# KiCad board chu_main.kicad_pcb
title: Chu Pico Main
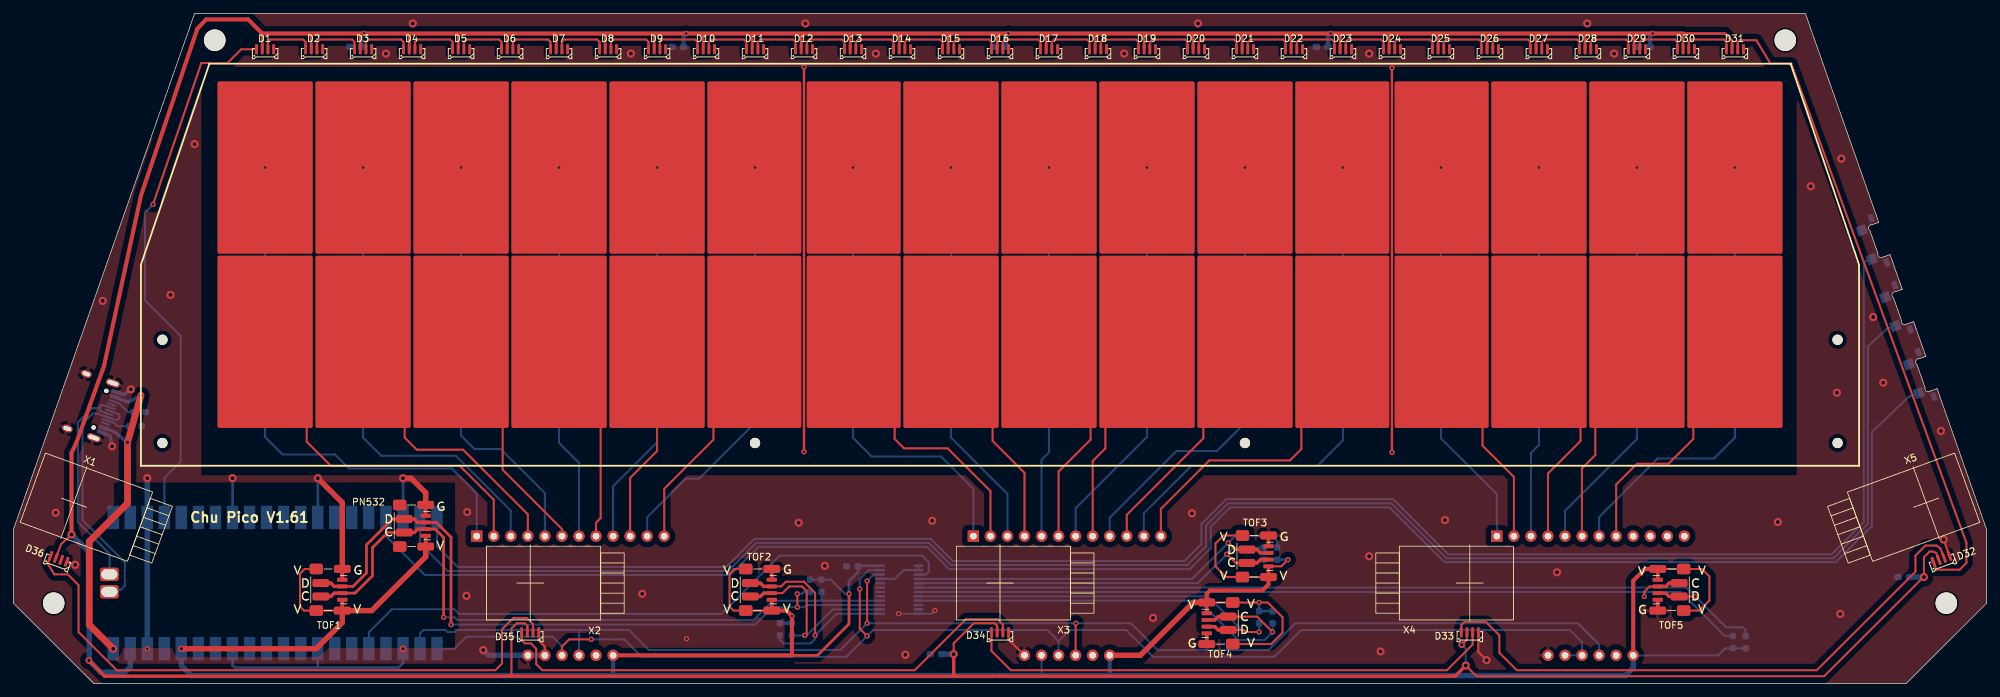
[diagram p0: board, top side]
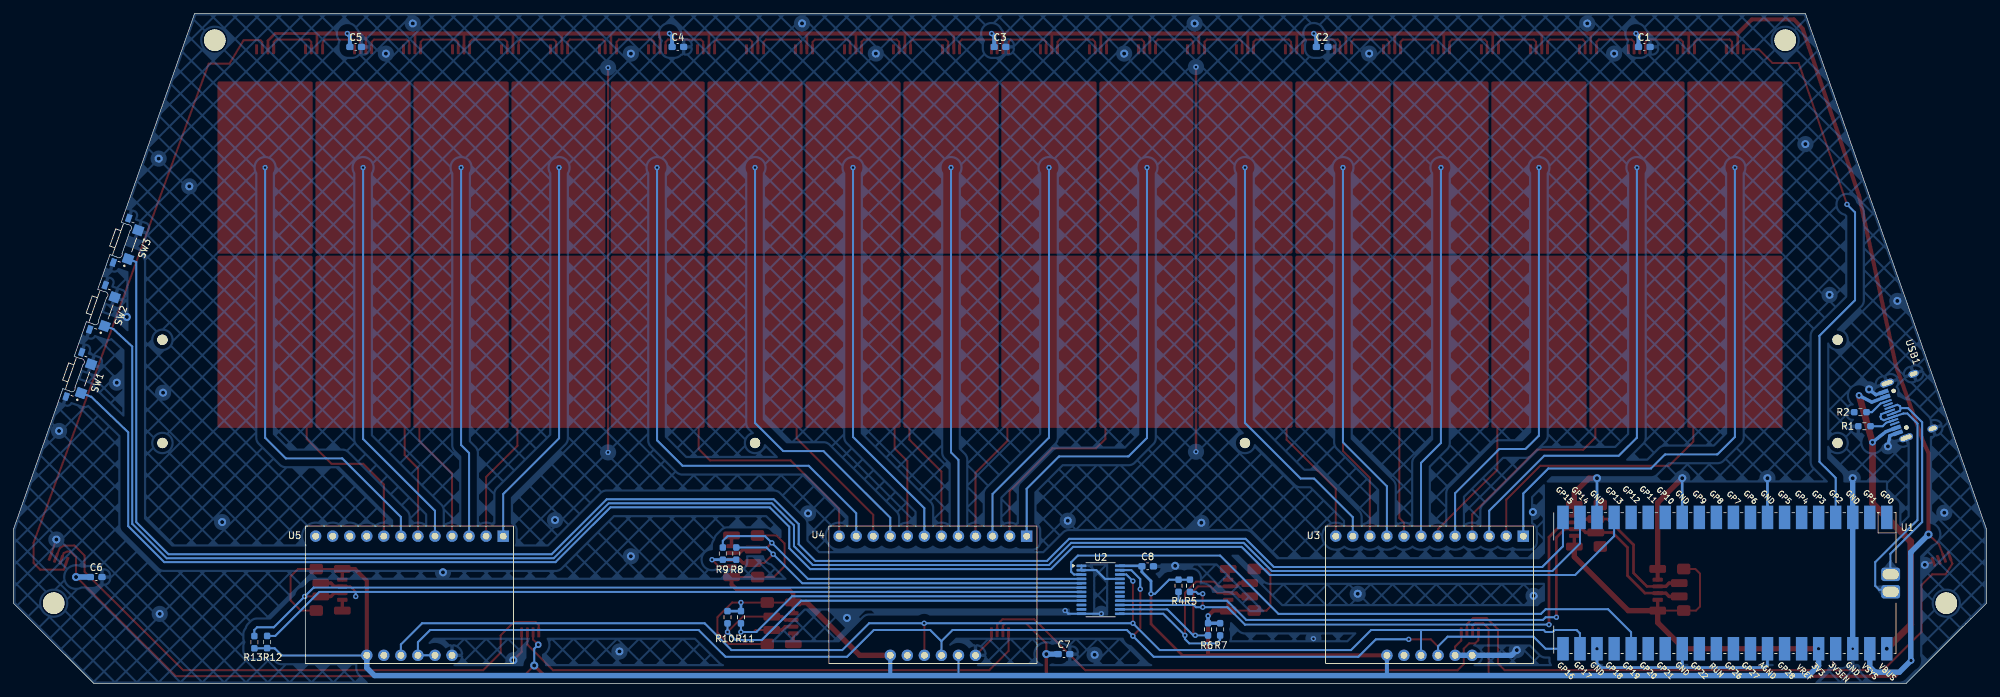
[diagram p1: board, bottom side, seen from below]

Outline 294 x 100 mm; copper layers: Top, Bottom. Coordinates in mm from the lower left corner of the outline.
Outline path: 277.57,69.86 267,100 27,100 0,23 0,12 12,0 282,0 294,12 294,23 286.96,43.07 ; 281.07,59.86 279.95,63.07 ; 284.58,49.86 283.46,53.07
Stack: Top 0.035mm / dielectric 1.11mm FR4 er 4.5 / Bottom 0.035mm

## Placement (name value [footprint] x y rotation side)
C1  0.1uF  [C_0603_1608Metric_Pad1.08x0.95mm_HandSolder]  51 95 180 bottom
C2  0.1uF  [C_0603_1608Metric_Pad1.08x0.95mm_HandSolder]  99 95 180 bottom
C3  0.1uF  [C_0603_1608Metric_Pad1.08x0.95mm_HandSolder]  147 95 180 bottom
C4  0.1uF  [C_0603_1608Metric_Pad1.08x0.95mm_HandSolder]  195 95 180 bottom
C5  0.1uF  [C_0603_1608Metric_Pad1.08x0.95mm_HandSolder]  243 95 180 bottom
C6  0.1uF  [C_0603_1608Metric_Pad1.08x0.95mm_HandSolder]  281.67 15.9 180 bottom
C7  0.1uF  [C_0603_1608Metric_Pad1.08x0.95mm_HandSolder]  137.47 4.4 180 bottom
C8  0.1uF  [C_0603_1608Metric_Pad1.08x0.95mm_HandSolder]  125 17.5 180 bottom
D1  WS2812B_Unified  [WS2812B-4020]  37.5 94 180 top
D2  WS2812B_Unified  [WS2812B-4020]  44.8 94 180 top
D3  WS2812B_Unified  [WS2812B-4020]  52.1 94 180 top
D4  WS2812B_Unified  [WS2812B-4020]  59.4 94 180 top
D5  WS2812B_Unified  [WS2812B-4020]  66.7 94 180 top
D6  WS2812B_Unified  [WS2812B-4020]  74 94 180 top
D7  WS2812B_Unified  [WS2812B-4020]  81.3 94 180 top
D8  WS2812B_Unified  [WS2812B-4020]  88.6 94 180 top
D9  WS2812B_Unified  [WS2812B-4020]  95.9 94 180 top
D10  WS2812B_Unified  [WS2812B-4020]  103.2 94 180 top
D11  WS2812B_Unified  [WS2812B-4020]  110.5 94 180 top
D12  WS2812B_Unified  [WS2812B-4020]  117.8 94 180 top
D13  WS2812B_Unified  [WS2812B-4020]  125.1 94 180 top
D14  WS2812B_Unified  [WS2812B-4020]  132.4 94 180 top
D15  WS2812B_Unified  [WS2812B-4020]  139.7 94 180 top
D16  WS2812B_Unified  [WS2812B-4020]  147 94 180 top
D17  WS2812B_Unified  [WS2812B-4020]  154.3 94 180 top
D18  WS2812B_Unified  [WS2812B-4020]  161.6 94 180 top
D19  WS2812B_Unified  [WS2812B-4020]  168.9 94 180 top
D20  WS2812B_Unified  [WS2812B-4020]  176.2 94 180 top
D21  WS2812B_Unified  [WS2812B-4020]  183.5 94 180 top
D22  WS2812B_Unified  [WS2812B-4020]  190.8 94 180 top
D23  WS2812B_Unified  [WS2812B-4020]  198.1 94 180 top
D24  WS2812B_Unified  [WS2812B-4020]  205.4 94 180 top
D25  WS2812B_Unified  [WS2812B-4020]  212.7 94 180 top
D26  WS2812B_Unified  [WS2812B-4020]  220 94 180 top
D27  WS2812B_Unified  [WS2812B-4020]  227.3 94 180 top
D28  WS2812B_Unified  [WS2812B-4020]  234.6 94 180 top
D29  WS2812B_Unified  [WS2812B-4020]  241.9 94 180 top
D30  WS2812B_Unified  [WS2812B-4020]  249.2 94 180 top
D31  WS2812B_Unified  [WS2812B-4020]  256.5 94 180 top
D32  WS2812B_Unified  [WS2812B-4020]  287.5 18 200 top
D33  WS2812B_Unified  [WS2812B-4020]  217 7 180 top
D34  WS2812B_Unified  [WS2812B-4020]  147 7 180 top
D35  WS2812B_Unified  [WS2812B-4020]  77 7 180 top
D36  WS2812B_Unified  [WS2812B-4020]  6.5 18 160 top
K1  Conn_01x01_Female  [ChuKey]  37.5 77 0 top
K2  Conn_01x01_Female  [ChuKey]  37.5 51 180 top
K3  Conn_01x01_Female  [ChuKey]  52.1 77 0 top
K4  Conn_01x01_Female  [ChuKey]  52.1 51 180 top
K5  Conn_01x01_Female  [ChuKey]  66.7 77 0 top
K6  Conn_01x01_Female  [ChuKey]  66.7 51 180 top
K7  Conn_01x01_Female  [ChuKey]  81.3 77 0 top
K8  Conn_01x01_Female  [ChuKey]  81.3 51 180 top
K9  Conn_01x01_Female  [ChuKey]  95.9 77 0 top
K10  Conn_01x01_Female  [ChuKey]  95.9 51 180 top
K11  Conn_01x01_Female  [ChuKeyBiasLeft]  110.5 77 0 top
K12  Conn_01x01_Female  [ChuKeyBiasRight]  110.5 51 180 top
K13  Conn_01x01_Female  [ChuKeyBiasRight]  125.1 77 0 top
K14  Conn_01x01_Female  [ChuKeyBiasLeft]  125.1 51 180 top
K15  Conn_01x01_Female  [ChuKey]  139.7 77 0 top
K16  Conn_01x01_Female  [ChuKey]  139.7 51 180 top
K17  Conn_01x01_Female  [ChuKey]  154.3 77 0 top
K18  Conn_01x01_Female  [ChuKey]  154.3 51 180 top
K19  Conn_01x01_Female  [ChuKey]  168.9 77 0 top
K20  Conn_01x01_Female  [ChuKey]  168.9 51 180 top
K21  Conn_01x01_Female  [ChuKey]  183.5 77 0 top
K22  Conn_01x01_Female  [ChuKey]  183.5 51 180 top
K23  Conn_01x01_Female  [ChuKeyBiasLeft]  198.1 77 0 top
K24  Conn_01x01_Female  [ChuKeyBiasRight]  198.1 51 180 top
K25  Conn_01x01_Female  [ChuKeyBiasRight]  212.7 77 0 top
K26  Conn_01x01_Female  [ChuKeyBiasLeft]  212.7 51 180 top
K27  Conn_01x01_Female  [ChuKey]  227.3 77 0 top
K28  Conn_01x01_Female  [ChuKey]  227.3 51 180 top
K29  Conn_01x01_Female  [ChuKey]  241.9 77 0 top
K30  Conn_01x01_Female  [ChuKey]  241.9 51 180 top
K31  Conn_01x01_Female  [ChuKey]  256.5 77 0 top
K32  Conn_01x01_Female  [ChuKey]  256.5 51 180 top
PN532  TOF_I2C  [SH1.0_4P_Solder_Combo]  59.43 23.55 270 top
R1  5K1  [R_0603_1608Metric_Pad0.98x0.95mm_HandSolder]  18.2 38.4 0 bottom
R2  5K1  [R_0603_1608Metric_Pad0.98x0.95mm_HandSolder]  18.8 40.5 0 bottom
R4  4.7K  [R_0603_1608Metric_Pad0.98x0.95mm_HandSolder]  120.4 14.6 90 bottom
R5  4.7K  [R_0603_1608Metric_Pad0.98x0.95mm_HandSolder]  118.7 14.6 90 bottom
R6  4.7K  [R_0603_1608Metric_Pad0.98x0.95mm_HandSolder]  116 8.1 90 bottom
R7  4.7K  [R_0603_1608Metric_Pad0.98x0.95mm_HandSolder]  114.2 8.1 90 bottom
R8  4.7K  [R_0603_1608Metric_Pad0.98x0.95mm_HandSolder]  186.3 19.4 270 bottom
R9  4.7K  [R_0603_1608Metric_Pad0.98x0.95mm_HandSolder]  188.3 19.4 270 bottom
R10  4.7K  [R_0603_1608Metric_Pad0.98x0.95mm_HandSolder]  187.6 9.9 90 bottom
R11  4.7K  [R_0603_1608Metric_Pad0.98x0.95mm_HandSolder]  185.6 9.9 90 bottom
R12  4.7K  [R_0603_1608Metric_Pad0.98x0.95mm_HandSolder]  256.2 6.2 270 bottom
R13  4.7K  [R_0603_1608Metric_Pad0.98x0.95mm_HandSolder]  258.1 6.18 270 bottom
SCR1  ScrewHole  [MountingHole_3.2mm_M3]  30 96 0 top
SCR2  ScrewHole  [MountingHole_3.2mm_M3]  264 96 0 top
SCR3  ScrewHole  [MountingHole_3.2mm_M3]  6 12 0 top
SCR4  ScrewHole  [MountingHole_3.2mm_M3]  288 12 0 top
SW1  SPST_EVQP4  [SW_EVQ-P46B3M]  284.59 46 289.3 bottom
SW2  SPST_EVQP4  [SW_EVQ-P46B3M]  281.08 56 289.3 bottom
SW3  SPST_EVQP4  [SW_EVQ-P46B3M]  277.58 66 289.3 bottom
TOF1  TOF_I2C  [SH1.0_4P_Solder_Combo]  47 14 270 top
TOF2  TOF_I2C  [SH1.0_4P_Solder_Combo]  111 14 270 top
TOF3  TOF_I2C  [SH1.0_4P_Solder_Combo]  185 19 270 top
TOF4  TOF_I2C  [SH1.0_4P_Solder_Combo]  179.8 9 90 top
TOF5  TOF_I2C  [SH1.0_4P_Solder_Combo]  247 14 90 top
U0  -  [ChuAcrylic]  147 62.5 0 top
U1  PiPico_No_SWD  [RPi_Pico_SMD_Pins_No_SWD]  38.99 15 270 bottom
U2  PCA9548APW  [TSSOP-24_4.4x7.8mm_P0.65mm]  132 14 180 bottom
U3  MPR121QR2_BOARD  [MPR121_BOARD]  83 22 0 bottom
U4  MPR121QR2_BOARD  [MPR121_BOARD]  157 22 0 bottom
U5  MPR121QR2_BOARD  [MPR121_BOARD]  235 22 0 bottom
USB1  U262-161N-4BVC11  [HRO-TYPE-C-31-M-12-Assembly]  7 43 70.8 bottom
X1  -  [GP2Y0E03_REAL]  9 27 70 top
X2  -  [GP2Y0E03_REAL]  77 15 90 top
X3  -  [GP2Y0E03_REAL]  147 15 90 top
X4  -  [GP2Y0E03_REAL]  217 15 270 top
X5  -  [GP2Y0E03_REAL]  285 27 290 top

## Library data of the parts
C1-C8 = -: Description: Unpolarized capacitor; ki_fp_filters: C_*
D1-D36 = -: Description: RGB LED with integrated controller; ki_fp_filters: LED*WS2812
K1-K32 = -: ki_fp_filters: Connector*:*
PN532 = -: Description: Generic connector, single row, 01x04, script generated (kicad-library-utils/schlib/autogen/connector/); Field4: PN532; ki_fp_filters: Connector*:*_1x??_*
R1 R2 R4-R13 = -: Description: Resistor, small symbol; LCSC: C23186; ki_fp_filters: R_*
SCR1-SCR4 = -: ki_fp_filters: SW?DIP?x1*
TOF1-TOF5 = -: Description: Generic connector, single row, 01x04, script generated (kicad-library-utils/schlib/autogen/connector/); ki_fp_filters: Connector*:*_1x??_*
U1 = -: Field4: Copper Keepouts shown on Dwgs layer
U2 = -: Datasheet: http://www.ti.com/lit/ds/symlink/pca9548a.pdf; Description: Low voltage 8-channel I2C switch with reset, TSSOP-24; ki_fp_filters: TSSOP*4.4x7.8mm*P0.65mm*
U3-U5 = -: Datasheet: https://resurgentsemi.com/wp-content/uploads/2018/09/MPR121_rev5-Resurgent.pdf?d453f8&d453f8; Description: 12ch Touch Sensor controller, UQFN-20; ki_fp_filters: UQFN*3x3mm*P0.4mm*
USB1 = -: LCSC: C319148

## Footprints (pads in the part's own frame, mm; a bottom-side part is the same pattern mirrored in y, then rotated)
C_0603_1608Metric_Pad1.08x0.95mm_HandSolder
  rrect 1.075x0.95 smd: 1(-0.863,0) 2(0.863,0)
ChuAcrylic
  round 1.524 hole 2.2 unplated: (-124.8,-11.2) (-124.8,-26.6) (-36.5,-26.6) (36.5,-26.6) (124.8,-11.2) (124.8,-26.6)
ChuKey
  rrect 14.2x25.7 smd: 1(0,0)
ChuKeyBiasLeft
  rrect 14x25.7 smd: 1(0,0)
ChuKeyBiasRight
  rrect 14x25.7 smd: 1(0,0)
HRO-TYPE-C-31-M-12-Assembly
  round 0.65 hole 0.65 unplated: (-2.89,6.25) (2.89,6.25)
  rect 0.6x1.45 smd: 1(-3.225,7.695) 2(-2.45,7.695) 11(2.45,7.695) 12(3.225,7.695)
  rect 0.3x1.45 smd: 3(-1.75,7.695) 4(-1.25,7.695) 5(-0.75,7.695) 6(-0.25,7.695) 7(0.25,7.695) 8(0.75,7.695) 9(1.25,7.695) 10(1.75,7.695)
  oval 1x1.6 hole 0.6x1.2: 13(-4.32,2.6) 13(4.32,2.6)
  oval 1x2.1 hole 0.6x1.7: 13(-4.32,6.78) 13(4.32,6.78)
MountingHole_3.2mm_M3
  round 3.2 hole 3.2 unplated: (0,0)
MPR121_BOARD
  oval 1.7x1.7 hole 1: 1(3.81,17.78) 2(1.27,17.78) 3(-1.27,17.78) 4(-3.81,17.78) 6(-6.35,17.78) 9(-11.43,0) 10(-8.89,0) 11(-6.35,0) 12(-3.81,0) 13(-1.27,0) 14(1.27,0) 15(3.81,0) 16(6.35,0) 17(8.89,0) 18(11.43,0) 19(13.97,0) 20(6.35,17.78)
  rect 1.7x1.7 hole 1: 8(-13.97,0)
R_0603_1608Metric_Pad0.98x0.95mm_HandSolder
  rrect 0.975x0.95 smd: 1(-0.912,0) 2(0.912,0)
RPi_Pico_SMD_Pins_No_SWD
  rect 3.5x1.7 smd: 1(-9.8,24.13) 2(-9.8,21.59) 3(-9.8,19.05) 4(-9.8,16.51) 5(-9.8,13.97) 6(-9.8,11.43) 7(-9.8,8.89) 8(-9.8,6.35) 9(-9.8,3.81) 10(-9.8,1.27) 11(-9.8,-1.27) 12(-9.8,-3.81) 13(-9.8,-6.35) 14(-9.8,-8.89) 15(-9.8,-11.43) 16(-9.8,-13.97) 17(-9.8,-16.51) 18(-9.8,-19.05) 19(-9.8,-21.59) 20(-9.8,-24.13) 21(9.8,-24.13) 22(9.8,-21.59) 23(9.8,-19.05) 24(9.8,-16.51) 25(9.8,-13.97) 26(9.8,-11.43) 27(9.8,-8.89) 28(9.8,-6.35) 29(9.8,-3.81) 30(9.8,-1.27) 31(9.8,1.27) 32(9.8,3.81) 33(9.8,6.35) 34(9.8,8.89) 35(9.8,11.43) 36(9.8,13.97) 37(9.8,16.51) 38(9.8,19.05) 39(9.8,21.59) 40(9.8,24.13)
  rrect 2x2.8 hole 1.5x2.4: TP2(1.3,24.7) TP3(-1.3,24.7)
SH1.0_4P_Solder_Combo
  rrect 1.2x2.5 smd: 1(-3.11,2) 2(-1,-1.2) 3(1,-1.2) 4(3.11,2)
  rrect 0.6x1.55 smd: 1(-1.5,2) 2(-0.5,2) 3(0.5,2) 4(1.5,2)
  rrect 1.6x2 smd: MP(-3.1,-1.875) MP(3.1,-1.875)
SW_EVQ-P46B3M
  rect 1.45x1.5 smd: 1(2.275,1.5) 2(-2.275,1.5)
  rect 1.2x0.8 smd: MP(-3.5,-0.42) MP(3.5,-0.42)
TSSOP-24_4.4x7.8mm_P0.65mm
  rrect 1.475x0.4 smd: 1(-2.862,3.575) 2(-2.862,2.925) 3(-2.862,2.275) 4(-2.862,1.625) 5(-2.862,0.975) 6(-2.862,0.325) 7(-2.862,-0.325) 8(-2.862,-0.975) 9(-2.862,-1.625) 10(-2.862,-2.275) 11(-2.862,-2.925) 12(-2.862,-3.575) 13(2.862,-3.575) 14(2.862,-2.925) 15(2.862,-2.275) 16(2.862,-1.625) 17(2.862,-0.975) 18(2.862,-0.325) 19(2.862,0.325) 20(2.862,0.975) 21(2.862,1.625) 22(2.862,2.275) 23(2.862,2.925) 24(2.862,3.575)
WS2812B-4020
  rrect 0.44x1.5 smd: G(-1.275,-0.65) I(1.275,-0.65) O(-0.425,-0.65) V(0.425,-0.65)

## Nets
+3V3: C8.1 PN532.4 R4.2 R5.2 R6.2 R7.2 R8.2 R9.2 R10.2 R11.2 R12.2 R13.2 TOF1.4 TOF1.MP TOF2.4 TOF2.MP TOF3.4 TOF3.MP TOF4.4 TOF4.MP TOF5.4 TOF5.MP U1.36 U2.24 U3.20 U4.4 U4.20 U5.20
+5V: C1.1 C2.1 C3.1 C4.1 C5.1 C6.1 C7.1 D1.V D2.V D3.V D4.V D5.V D6.V D7.V D8.V D9.V D10.V D11.V D12.V D13.V D14.V D15.V D16.V D17.V D18.V D19.V D20.V D21.V D22.V D23.V D24.V D25.V D26.V D27.V D28.V D29.V D30.V D31.V D32.V D33.V D34.V D35.V D36.V U1.39
GND: C1.2 C2.2 C3.2 C4.2 C5.2 C6.2 C7.2 C8.2 D1.G D2.G D3.G D4.G D5.G D6.G D7.G D8.G D9.G D10.G D11.G D12.G D13.G D14.G D15.G D16.G D17.G D18.G D19.G D20.G D21.G D22.G D23.G D24.G D25.G D26.G D27.G D28.G D29.G D30.G D31.G D32.G D33.G D34.G D35.G D36.G PN532.1 R1.2 R2.2 SW1.2 SW1.MP SW2.2 SW2.MP SW3.2 SW3.MP TOF1.1 TOF2.1 TOF3.1 TOF4.1 TOF5.1 U1.3 U1.8 U1.13 U1.18 U1.23 U1.28 U1.33 U1.38 U2.1 U2.2 U2.12 U2.21 U3.4 U3.6 U4.6 U5.6 USB1.1 USB1.12 USB1.13
VBUS: U1.40 USB1.2 USB1.11
/SCL: U1.22 U2.22 U3.2 U4.2 U5.2
/SCL_1: PN532.3 R4.1 TOF1.3 U2.16
/SCL_2: R6.1 TOF2.3 U2.14
/SCL_3: R8.1 TOF3.3 U2.5
/SCL_4: R10.1 TOF4.3 U2.9
/SCL_5: R12.1 TOF5.3 U2.7
/SDA: U1.21 U2.23 U3.3 U4.3 U5.3 U5.4
/SDA_1: PN532.2 R5.1 TOF1.2 U2.15
/SDA_2: R7.1 TOF2.2 U2.13
/SDA_3: R9.1 TOF3.2 U2.4
/SDA_4: R11.1 TOF4.2 U2.8
/SDA_5: R13.1 TOF5.2 U2.6
Net-(D1-In): D1.I U1.4
Net-(D1-Out): D1.O D2.I
Net-(D2-Out): D2.O D3.I
Net-(D3-Out): D3.O D4.I
Net-(D4-Out): D4.O D5.I
Net-(D5-Out): D5.O D6.I
Net-(D6-Out): D6.O D7.I
Net-(D7-Out): D7.O D8.I
Net-(D8-Out): D8.O D9.I
Net-(D10-In): D9.O D10.I
Net-(D10-Out): D10.O D11.I
Net-(D11-Out): D11.O D12.I
Net-(D12-Out): D12.O D13.I
Net-(D13-Out): D13.O D14.I
Net-(D14-Out): D14.O D15.I
Net-(D15-Out): D15.O D16.I
Net-(D16-Out): D16.O D17.I
Net-(D17-Out): D17.O D18.I
Net-(D18-Out): D18.O D19.I
Net-(D19-Out): D19.O D20.I
Net-(D20-Out): D20.O D21.I
Net-(D21-Out): D21.O D22.I
Net-(D22-Out): D22.O D23.I
Net-(D23-Out): D23.O D24.I
Net-(D24-Out): D24.O D25.I
Net-(D25-Out): D25.O D26.I
Net-(D26-Out): D26.O D27.I
Net-(D27-Out): D27.O D28.I
Net-(D28-Out): D28.O D29.I
Net-(D29-Out): D29.O D30.I
Net-(D30-Out): D30.O D31.I
Net-(D31-Out): D31.O D32.I
Net-(D32-Out): D32.O D33.I
Net-(D33-Out): D33.O D34.I
Net-(D34-Out): D34.O D35.I
Net-(D35-Out): D35.O D36.I
Net-(K1-Pin_1): K1.1 U3.8
Net-(K2-Pin_1): K2.1 U3.9
Net-(K3-Pin_1): K3.1 U3.10
Net-(K4-Pin_1): K4.1 U3.11
Net-(K5-Pin_1): K5.1 U3.12
Net-(K6-Pin_1): K6.1 U3.13
Net-(K7-Pin_1): K7.1 U3.14
Net-(K8-Pin_1): K8.1 U3.15
Net-(K9-Pin_1): K9.1 U3.16
Net-(K10-Pin_1): K10.1 U3.17
Net-(K11-Pin_1): K11.1 U3.18
Net-(K12-Pin_1): K12.1 U3.19
Net-(K13-Pin_1): K13.1 U4.8
Net-(K14-Pin_1): K14.1 U4.9
Net-(K15-Pin_1): K15.1 U4.10
Net-(K16-Pin_1): K16.1 U4.11
Net-(K17-Pin_1): K17.1 U4.12
Net-(K18-Pin_1): K18.1 U4.13
Net-(K19-Pin_1): K19.1 U4.14
Net-(K20-Pin_1): K20.1 U4.15
Net-(K21-Pin_1): K21.1 U4.16
Net-(K22-Pin_1): K22.1 U4.17
Net-(K23-Pin_1): K23.1 U4.18
Net-(K24-Pin_1): K24.1 U4.19
Net-(K25-Pin_1): K25.1 U5.8
Net-(K26-Pin_1): K26.1 U5.9
Net-(K27-Pin_1): K27.1 U5.10
Net-(K28-Pin_1): K28.1 U5.11
Net-(K29-Pin_1): K29.1 U5.12
Net-(K30-Pin_1): K30.1 U5.13
Net-(K31-Pin_1): K31.1 U5.14
Net-(K32-Pin_1): K32.1 U5.15
Net-(SW1-A): SW1.1 U1.17
Net-(SW2-A): SW2.1 U1.19
Net-(SW3-A): SW3.1 U1.20
Net-(U1-GPIO19): U1.25 U2.3
Net-(U1-USB1): U1.TP2 USB1.5 USB1.7
Net-(U1-USB2): U1.TP3 USB1.6 USB1.8
Net-(USB1-CC1): R1.1 USB1.4
Net-(USB1-CC2): R2.1 USB1.10

Pads without a net: D36 O; PN532 MP; U1 1 2 5 6 7 9 10 11 12 14 15 16 24 26 27 29 30 31 32 34 35 37; U2 10 11 17 18 19 20; U3 1; U4 1; U5 1 16 17 18 19; USB1 3 9

## Via types
v1: diameter 1.2, hole 0.6, Top to Bottom, 50 vias
v2: diameter 1, hole 0.5, Top to Bottom, 6 vias
v3: diameter 0.8, hole 0.4, Top to Bottom, 52 vias

## Routing (per net, layer and track width the routed paths; a pad name or vN(x,y) marks a point on that pad's centre or on a via; arc(x,y) is an arc through that point)
+3V3: length 510.7
  Top w0.3: 177.81,12.1 TOF4.MP v3(185.6,12.1) 186.9,12.1 189.1,9.9 189.1,7.6 187.4,5.9 TOF4.MP ; TOF1.4 43.31,10.89 42.7,11.5 42.7,16.4 43.4,17.1 TOF1.MP ; TOF2.MP 107.4,17.1 106.7,16.4 106.7,11.5 107.31,10.89 TOF2.4 ; TOF5.MP 251.2,10.9 252.7,12.4 252.7,16 251.6,17.1 TOF5.MP 245.01,17.1 TOF5.4 ; 186.99,15.9 TOF3.MP 180.7,15.9 179.1,17.5 179.1,20.9 180.3,22.1 TOF3.MP ; v3(189.9,18.49) 188.91,17.5 TOF3.4 ; 47.9,10.5 48.51,11.11
  Top w0.4: v3(124.5,13.4) 124.5,8.9 119.82,4.22 116,4.22
  Top w0.5: TOF3.4 TOF3.4 ; TOF5.4 TOF5.4 ; TOF2.4 TOF2.4 ; PN532.4 PN532.4 ; TOF4.4 TOF4.4 ; TOF1.4 TOF1.4
  Top w0.6: TOF4.4 177.8,13.4 178.3,13.9 186.1,13.9 187,14.8 TOF3.4 ; TOF5.4 243.11,17.11 241.35,15.35 U5.20 ; TOF2.4 113.01,10.9 115.2,10.9 v3(116,10.1) 116,4.22 U3.20
  Top w0.8: PN532.4 61.43,18.93 53.39,10.89 TOF1.4 49,9.1 45.1,5.2 v2(25.03,5.2) ; 177.81,12.11 175.81,12.11 167.92,4.22 U4.20
  Bottom w0.3: R5.2 121.79,15.51 123.9,13.4 v3(124.5,13.4) ; R13.2 255.06,5.26 254,4.2 241.37,4.2 U5.20 ; U4.4 153.19,1.2
  Bottom w0.4: 125.94,17.58 U2.24 ; v3(185.6,12.1) R11.2 R10.2 ; v3(124.5,13.4) 124.5,15.3 125.86,16.66 C8.1 ; v3(189.9,18.49) R8.2
  Bottom w0.5: v3(116,10.1) R6.2 R7.2
  Bottom w0.6: U4.20 163.35,1.2 ; U3.20 89.35,1.2
  Bottom w0.8: v2(25.03,5.2) 25.03,2.67 26.5,1.2 240.2,1.2 241.35,2.35 U5.20
+5V: length 747.8
  Top w0.3: 284.6,15.9 269.8,1.1 218,1.1 v1(216.4,2.7) ; D33.V 216.58,6.58 v2(215.8,5.8) ; D35.V 76.57,8.62 76.2,9 75,9 74.2,8.2 74.2,1.1 ; v1(284.67,15.9) 284.67,18.87 285.5,19.7 286,19.7 286.5,19.5 D32.V ; v1(8.65,22.25) 7.1,20.8 D36.V ; D34.V 146.57,8.62 146.2,9 143.1,9 140.1,6 v1(140.1,4.4)
  Top w0.4: D26.V 219.58,97 ; 226.88,94.65 226.88,97 ; 88.18,94.65 88.18,97 ; D25.V 212.28,97 ; D4.V 58.98,97 ; D17.V 153.88,97 ; 102.78,94.65 102.78,97 ; D30.V 248.78,97 ; D11.V 110.07,97 ; 139.28,94.65 139.28,97 ; D7.V 80.88,97 ; D28.V 234.17,97 ; D31.V 256.08,95.93 255,97 248.8,97 ; D24.V 204.97,97 ; D9.V 95.47,97 ; D12.V 117.38,97 ; 190.38,94.65 190.38,97 ; 66.28,94.65 66.28,97 ; 124.68,94.65 124.68,97 ; D29.V 241.47,97 ; D16.V 146.57,97 ; D2.V 44.38,97 ; D19.V 168.47,97 ; 161.18,94.65 161.18,97 ; D23.V 197.67,97 ; D14.V 131.97,97 ; D6.V 73.57,97 ; D3.V 51.67,97 ; D21.V 183.07,97 ; 175.78,94.65 175.78,97 ; 37.08,97 D1.V
  Top w0.5: v1(216.4,2.7) 214.8,1.1 13.6,1.1 v2(11.25,3.45) ; v1(140.1,4.4) 140.1,1.1
  Top w0.6: 248.8,97 v3(52.25,97) 37.08,97 34.98,99.1 28.7,99.1 27.4,97.7 19,72.8 13.5,47.4 13.3,46.85 9.4,36 8.65,34.4 v1(8.65,22.25)
  Bottom w0.3: v1(216.4,2.7) 216.4,5.2 v2(215.8,5.8)
  Bottom w0.6: C5.1 243.86,96.61 v3(244.25,97) ; v3(196.25,97) 195.86,96.61 C4.1 ; C3.1 147.86,96.61 v3(148.25,97) ; v3(100.25,97) 99.86,96.61 C2.1 ; C1.1 51.86,96.61 v3(52.25,97)
  Bottom w0.8: v1(140.1,4.4) C7.1 ; 17.41,5.2 17.41,2.51 16.6,1.7 13,1.7 v2(11.25,3.45) 11.3,3.5 11.3,19.6 v1(8.65,22.25) ; C6.1 v1(284.67,15.9)
GND: length 266.1
  Top w0.3: D35.G 78.28,6.43 79.19,5.51 U3.4 ; D33.G 218.28,4.73 v1(219.5,3.5) ; v1(287.6,21.5) D32.G ; U4.6 148.28,6.59 D34.G ; D36.G v1(9.2,17.72)
  Top w0.35: v3(117.8,34.6) v3(117.8,92) ; v3(205.4,34.5) v3(205.4,91.9)
  Top w0.5: TOF4.1 TOF4.1 ; PN532.1 PN532.1 ; TOF2.1 TOF2.1 ; TOF5.1 TOF5.1 ; TOF3.1 TOF3.1
  Top w0.6: TOF1.1 TOF1.1
  Top w0.8: PN532.1 61.43,28.47 59.25,30.65 v1(58.05,30.65) ; TOF1.1 49,27 v1(45.35,30.65)
  Bottom w0.3: U2.21 131.32,15.62 132.62,16.93 U2.2 U2.1 ; v3(131.9,10.43) U2.12 136.82,10.43 v3(137.3,10.9)
  Bottom w0.4: 45.35,5.2 45.35,2.4 ; 45.35,2.4 33,2.4 32.65,2.75 32.65,5.2 ; 45.35,2.4 57.4,2.4 58.05,3.05 v2(58.05,5.2) ; v1(45.35,30.65) 45.35,24.8 ; v1(58.05,30.65) 58.05,24.8 ; v1(32.65,30.65) 32.65,24.8
  Bottom w0.5: v1(14.7,35.4) 14.4,37 USB1.1 ; v1(17.5,43.9) 16.5,43.1 USB1.12
  Bottom w0.8: v3(19.95,5.2) v1(19.95,30.65) ; v1(70,5) 70.78,4.22 U3.4
  vias: v1(6.3,25.5) v1(13.3,57.1) v1(23.4,58) v1(27,80.5) v1(55.5,94) v1(59.5,98.5) v1(67.5,13.1) v1(67.6,25.6) v1(92,94.01) v1(93.7,13.4) v1(117,24) v1(118,98.5) v1(120.9,17.58) v1(128.5,94) v1(132.9,4.3) v1(136.9,24.3) v1(165.5,94.01) v1(169.8,9.8) v1(175.6,25.4) v1(176.5,98.5) v1(202,94) v1(202,19) v1(203.7,4.8) v1(213.3,24.4) v1(230,16.6) v1(234.5,98.5) v1(238.5,94) v1(262.9,24.1) v1(267.8,74.2) v1(271.7,43.4) v1(272.2,10.4) v1(272.36,78.33) v1(277.1,54.7) v1(278.6,44.9) v1(287.2,37.7) v3(100.3,6.7)
VBUS: length 50.4
  Top w1: v2(19,43) v2(17,36) 17,26.9 11.3,21.2 11.3,8.77 v1(14.87,5.2)
  Bottom w0.5: v2(19,43) 17.1,42 USB1.11 ; USB1.2 15,37.6 v2(17,36)
/SCL: length 204.8
  Top w0.3: v3(127.2,9) v3(127.2,15.3) ; U4.2 158.27,8.97 v3(158.3,9)
  Bottom w0.3: U2.22 128.18,16.28 v3(127.2,15.3) ; U3.2 84.27,7.97 84.3,8 91.7,8 94.7,5 123.2,5 v3(127.2,9) v3(158.3,9) 166.5,9 170.5,5 187,5 191,9 233.1,9 236.27,5.83 U5.2 ; 60.59,5.2 60.59,7.49 61.1,8 64.35,8 64.65,7.7 65.7,7.7 66,8 84.27,8
/SCL_1: length 105
  Top w0.4: PN532.3 55.75,22.55 53.5,20.3 53.5,16.1 50.9,13.5 TOF1.3 ; PN532.3 62.85,23.05 64.1,21.8 v3(64.1,9.9)
  Top w0.5: TOF1.3 47.8,13.5 47.3,13 TOF1.3 ; PN532.3 60.23,23.05 59.73,22.55 PN532.3
  Bottom w0.3: U2.16 113.18,12.38 110.3,9.5 66.1,9.5 65.7,9.9 v3(64.1,9.9) ; R4.1 120.4,12.4
/SCL_2: length 30.7
  Top w0.3: 118.2,7.2 118.2,13.8 117.5,14.5 115.6,14.5 114.6,13.5 TOF2.3
  Top w0.5: TOF2.3 111.8,13.5 111.3,13 TOF2.3
  Bottom w0.3: U2.14 122.07,11.08 118.19,7.19 R6.1
  vias: v3(117.9,7.2)
/SCL_3: length 60.6
  Top w0.3: TOF3.3 182.11,18 180.8,19.31 v3(180.8,19.31)
  Top w0.5: TOF3.3 185.3,18 185.8,18.5 TOF3.3
  Bottom w0.3: U2.5 176.46,14.98 181.8,20.31 R8.1
/SCL_4: length 67.9
  Top w0.3: v3(187.6,7.7) 185.3,10 TOF4.3
  Top w0.5: TOF4.3 179.5,10 179,9.5 TOF4.3
  Bottom w0.3: U2.9 176.62,12.38 182.5,6.5 186.4,6.5 v3(187.6,7.7) R10.1
/SCL_5: length 131.2
  Top w0.3: TOF5.3 243.8,14.5 243,13.7 v3(243,13)
  Top w0.5: TOF5.3 246.2,14.5 246.7,15 TOF5.3
  Bottom w0.3: R12.1 254.99,7.11 248.42,13.68 U2.7 ; 243,13.68 v3(243,13)
/SDA: length 202.4
  Top w0.3: v3(86.1,6.6) 82.8,6.6 81.73,5.53 U3.3 ; v3(127.2,7.1) 126.1,8.2 v3(126.1,14.1)
  Bottom w0.3: v3(86.1,6.6) 91,6.6 93.6,4 124.1,4 v3(127.2,7.1) 128.1,8 154.06,8 155.73,6.33 ; U3.3 81.73,5.57 80.3,7 67.5,7 65.7,5.2 63.13,5.2 ; 155.73,6.33 157.4,8 165.8,8 169.8,4 187.9,4 191.9,8 231.9,8 233.73,6.17 U5.3 U5.4 ; 155.73,6.33 U4.3 ; v3(126.1,14.1) 126.1,15.6 127.43,16.93 U2.23
/SDA_1: length 109.6
  Top w0.3: v3(116.8,13.4) v3(116.8,11.4)
  Top w0.4: v3(65.2,8.8) 65.2,21.85 63,24.05 PN532.2 ; TOF1.2 50.6,14.5 52.6,16.5 52.6,20.7 56.45,24.55 PN532.2
  Top w0.5: PN532.2 59.73,24.55 60.23,24.05 PN532.2 ; TOF1.2 47.3,15 47.8,14.5 TOF1.2
  Bottom w0.3: R5.1 117.79,13.69 117.5,13.4 v3(116.8,13.4) ; 129.14,11.73 118.12,11.73 117.8,11.4 v3(116.8,11.4) 113.1,11.4 110.5,8.8 v3(65.2,8.8)
/SDA_2: length 35.1
  Top w0.3: v3(119.45,7.2) 119.45,13.54 117.79,15.2 115.1,15.2 114.4,14.5 TOF2.2
  Top w0.5: TOF2.2 111.8,14.5 111.3,15 TOF2.2
  Bottom w0.3: U2.13 122.68,10.43 v3(119.45,7.2) 119.45,6.65 118.8,6 114.75,6 114.2,6.55 R7.1
/SDA_3: length 64
  Top w0.3: TOF3.2 182,20 v3(181,21)
  Top w0.5: TOF3.2 185.8,19.5 185.3,20 TOF3.2
  Bottom w0.3: U2.4 175.62,15.62 182,22 187.6,22 188.3,21.3 R9.1
/SDA_4: length 62.4
  Top w0.3: TOF4.2 183.4,8 183.7,7.7 v3(185.6,7.7)
  Top w0.5: TOF4.2 179,8.5 179.5,8 TOF4.2
  Bottom w0.3: U2.8 177.97,13.03 183.3,7.7 v3(185.6,7.7) R11.1
/SDA_5: length 132.6
  Top w0.3: TOF5.2 v3(250.6,13)
  Top w0.5: TOF5.2 246.2,13.5 246.7,13 TOF5.2
  Bottom w0.3: 134.86,14.33 249.28,14.33 v3(250.6,13) 255.2,8.4 257.7,8.4 258.1,8 R13.1
Net-(D1-In): length 81.8
  Top w0.3: v3(20.8,71.5) 28,92.6 31.9,92.6 33.95,94.65 D1.I
  Bottom w0.3: v3(20.8,71.5) 19.6,70.3 19.6,57.2 24.9,51.9 24.9,33.1 22.49,30.69 22.49,24.8
Net-(D1-Out): length 8.1
  Top w0.3: D1.O 37.92,95.75 38.28,96.1 43.17,96.1 43.53,95.75 D2.I
Net-(D2-Out): length 8.1
  Top w0.3: D2.O 45.23,95.75 45.58,96.1 50.48,96.1 50.83,95.75 D3.I
Net-(D3-Out): length 8.1
  Top w0.3: D4.I 58.12,95.75 57.78,96.1 52.88,96.1 52.53,95.75 D3.O
Net-(D4-Out): length 8.1
  Top w0.3: D5.I 65.43,95.75 65.07,96.1 60.17,96.1 59.83,95.75 D4.O
Net-(D5-Out): length 8.1
  Top w0.3: D6.I 72.72,95.75 72.38,96.1 67.47,96.1 67.12,95.75 D5.O
Net-(D6-Out): length 8.1
  Top w0.3: D7.I 80.03,95.75 79.68,96.1 74.78,96.1 74.43,95.75 D6.O
Net-(D7-Out): length 8.1
  Top w0.3: D8.I 87.32,95.75 86.97,96.1 82.07,96.1 81.72,95.75 81.72,94.65
Net-(D8-Out): length 8.1
  Top w0.3: D8.O 89.03,95.75 89.38,96.1 94.28,96.1 94.62,95.75 D9.I
Net-(D10-In): length 8.1
  Top w0.3: 96.32,94.65 96.32,95.75 96.68,96.1 101.57,96.1 101.93,95.75 D10.I
Net-(D10-Out): length 8.1
  Top w0.3: D10.O 103.62,95.75 103.97,96.1 108.88,96.1 109.22,95.75 D11.I
Net-(D11-Out): length 8.1
  Top w0.3: D12.I 116.53,95.75 116.18,96.1 111.28,96.1 110.93,95.75 D11.O
Net-(D12-Out): length 8.1
  Top w0.3: 118.22,94.65 118.22,95.75 118.57,96.1 123.47,96.1 123.82,95.75 D13.I
Net-(D13-Out): length 8.1
  Top w0.3: D13.O 125.53,95.75 125.88,96.1 130.78,96.1 131.12,95.75 D14.I
Net-(D14-Out): length 8.1
  Top w0.3: D15.I 138.43,95.75 138.07,96.1 133.18,96.1 132.82,95.75 132.82,94.65
Net-(D15-Out): length 8.1
  Top w0.3: D16.I 145.72,95.75 145.38,96.1 140.47,96.1 140.12,95.75 D15.O
Net-(D16-Out): length 8.1
  Top w0.3: D16.O 147.43,95.75 147.78,96.1 152.68,96.1 153.03,95.75 D17.I
Net-(D17-Out): length 8.1
  Top w0.3: D18.I 160.32,95.75 159.97,96.1 155.07,96.1 154.72,95.75 154.72,94.65
Net-(D18-Out): length 8.1
  Top w0.3: D19.I 167.62,95.75 167.28,96.1 162.38,96.1 162.03,95.75 D18.O
Net-(D19-Out): length 8.1
  Top w0.3: D20.I 174.93,95.75 174.57,96.1 169.68,96.1 169.32,95.75 169.32,94.65
Net-(D20-Out): length 8.1
  Top w0.3: D21.I 182.22,95.75 181.88,96.1 176.97,96.1 176.62,95.75 D20.O
Net-(D21-Out): length 8.1
  Top w0.3: D22.I 189.53,95.75 189.17,96.1 184.28,96.1 183.93,95.75 D21.O
Net-(D22-Out): length 8.1
  Top w0.3: D23.I 196.83,95.75 196.47,96.1 191.58,96.1 191.22,95.75 D22.O
Net-(D23-Out): length 8.1
  Top w0.3: D23.O 198.53,95.75 198.88,96.1 203.78,96.1 204.13,95.75 D24.I
Net-(D24-Out): length 8.1
  Top w0.3: 211.42,94.65 211.42,95.75 211.08,96.1 206.17,96.1 205.83,95.75 D24.O
Net-(D25-Out): length 8.1
  Top w0.3: 218.72,94.65 218.72,95.75 218.38,96.1 213.47,96.1 213.13,95.75 D25.O
Net-(D26-Out): length 8.1
  Top w0.3: D27.I 226.03,95.75 225.67,96.1 220.78,96.1 220.42,95.75 220.42,94.65
Net-(D27-Out): length 8.1
  Top w0.3: D28.I 233.33,95.75 232.97,96.1 228.08,96.1 227.72,95.75 D27.O
Net-(D28-Out): length 8.1
  Top w0.3: D28.O 235.03,95.75 235.38,96.1 240.28,96.1 240.63,95.75 D29.I
Net-(D29-Out): length 8.1
  Top w0.3: D29.O 242.33,95.75 242.67,96.1 247.58,96.1 247.92,95.75 247.92,94.65
Net-(D30-Out): length 8.1
  Top w0.3: 255.22,94.65 255.22,95.75 254.88,96.1 249.97,96.1 249.63,95.75 D30.O
Net-(D31-Out): length 96.4
  Top w0.3: 256.92,94.65 256.92,95.73 257.2,96 259.7,96 261.8,92.5 264.9,92.5 291,21 291,18 290,17 286.5,17 D32.I
Net-(D32-Out): length 87.9
  Top w0.3: 215.72,7.65 215.72,8.73 216.2,9.2 219.4,9.2 221.4,7.2 221.4,4.6 224,2 268.7,2 283.4,16.7 283.4,19.1 284.9,20.6 286.5,20.6 287.1,20.2 D32.O
Net-(D33-Out): length 79.1
  Top w0.3: D34.I 145.72,4.88 148.6,2 213.6,2 217.42,5.83 217.42,7.65
Net-(D34-Out): length 80.7
  Top w0.3: D34.O 147.43,8.8 146.62,9.6 141.9,9.6 134.3,2 78.8,2 77.9,2.9 77.9,5.2 77.1,6 76.2,6 75.72,6.48 D35.I
Net-(D35-Out): length 92.3
  Top w0.3: D35.O 77.43,8.88 76.5,9.8 74.5,9.8 72.8,8.1 72.8,3 71.8,2 15.4,2 9.7,7.7 9.7,14.7 8.1,16.3 6.1,16.3 5.1,17.9 D36.I
Net-(K1-Pin_1): length 81.6
  Bottom w0.3: U3.8 69.03,28.37 65.3,32.1 50,32.1 47.9,34.2 40.1,34.2 37.5,36.8 v3(37.5,77)
Net-(K2-Pin_1): length 54.4
  Top w0.3: K2.1 43.7,44.8 43.7,36.1 47.3,32.5 66.5,32.5 71.57,27.43 U3.9
Net-(K3-Pin_1): length 70.6
  Bottom w0.3: v3(52.1,77) 52.1,36.7 54.8,34 65.9,34 74.11,25.79 U3.10
Net-(K4-Pin_1): length 43.2
  Top w0.3: U3.11 76.65,25.25 67,34.9 60.1,34.9 58.3,36.7 58.3,44.8 K4.1
Net-(K5-Pin_1): length 62.5
  Bottom w0.3: v3(66.7,77) 66.7,37 68.7,35 72.6,35 79.19,28.41 U3.12
Net-(K6-Pin_1): length 35.2
  Top w0.3: K6.1 72.9,44.8 72.9,31.9 81.73,23.07 U3.13
Net-(K7-Pin_1): length 56.2
  Bottom w0.3: U3.14 84.27,32.93 81.3,35.9 v3(81.3,77)
Net-(K8-Pin_1): length 31.9
  Top w0.3: U3.15 86.81,24.01 87.5,24.7 87.5,44.8 K8.1
Net-(K9-Pin_1): length 57.7
  Bottom w0.3: v3(95.9,77) 95.9,36 89.35,29.45 U3.16
Net-(K10-Pin_1): length 30.7
  Top w0.3: K10.1 95.9,34.7 91.89,30.69 U3.17
Net-(K11-Pin_1): length 62.8
  Bottom w0.3: v3(110.5,77) 110.5,38.9 102.2,30.6 100.2,30.6 94.43,24.83 U3.18
Net-(K12-Pin_1): length 34.6
  Top w0.3: U3.19 96.97,29.07 104.3,36.4 104.3,44.8 K12.1
Net-(K13-Pin_1): length 68.5
  Bottom w0.3: U4.8 143.03,29.07 138.2,33.9 127.85,33.9 125.1,36.65 v3(125.1,77)
Net-(K14-Pin_1): length 41.3
  Top w0.3: U4.9 145.57,28.73 139.2,35.1 132.7,35.1 131.3,36.5 131.3,44.8 K14.1
Net-(K15-Pin_1): length 58.5
  Bottom w0.3: U4.10 148.11,28.29 139.7,36.7 v3(139.7,77)
Net-(K16-Pin_1): length 33.5
  Top w0.3: U4.11 150.65,31.45 145.9,36.2 145.9,44.8 K16.1
Net-(K17-Pin_1): length 55.5
  Bottom w0.3: U4.12 153.19,33.39 154.3,34.5 v3(154.3,77)
Net-(K18-Pin_1): length 33.5
  Top w0.3: K18.1 160.5,44.8 160.5,36.4 155.73,31.63 U4.13
Net-(K19-Pin_1): length 59.4
  Bottom w0.3: U4.14 158.27,26.17 168.9,36.8 v3(168.9,77)
Net-(K20-Pin_1): length 32.4
  Top w0.3: K20.1 162.7,44.8 162.7,35.1 160.81,33.21 U4.15
Net-(K21-Pin_1): length 66.9
  Bottom w0.3: U4.16 163.35,24.75 173.3,34.7 179.3,34.7 183.5,38.9 v3(183.5,77)
Net-(K22-Pin_1): length 36.3
  Top w0.3: U4.17 165.89,25.19 177.3,36.6 177.3,44.8 K22.1
Net-(K23-Pin_1): length 78.3
  Bottom w0.3: U4.18 168.43,25.43 175.5,32.5 194.3,32.5 198.1,36.3 v3(198.1,77)
Net-(K24-Pin_1): length 47.3
  Top w0.3: K24.1 191.9,44.8 191.9,35 190.2,33.3 178.2,33.3 170.97,26.07 U4.19
Net-(K25-Pin_1): length 58.5
  Bottom w0.3: v3(212.7,77) 212.7,36.6 221.03,28.27 U5.8
Net-(K26-Pin_1): length 33.5
  Top w0.3: K26.1 218.9,44.8 218.9,35.5 223.57,30.83 U5.9
Net-(K27-Pin_1): length 55.5
  Bottom w0.3: U5.10 226.11,34.41 227.3,35.6 v3(227.3,77)
Net-(K28-Pin_1): length 33.6
  Top w0.3: U5.11 228.65,31.35 233.5,36.2 233.5,44.8 K28.1
Net-(K29-Pin_1): length 59.4
  Bottom w0.3: U5.12 231.19,25.79 241.9,36.5 v3(241.9,77)
Net-(K30-Pin_1): length 32.4
  Top w0.3: U5.13 233.73,22.17 233.7,22.2 233.7,32.1 235.7,34.1 235.7,44.8 K30.1
Net-(K31-Pin_1): length 68.3
  Bottom w0.3: U5.14 236.27,24.87 245,33.6 253.4,33.6 256.5,36.7 v3(256.5,77)
Net-(K32-Pin_1): length 39.1
  Top w0.3: K32.1 250.3,44.8 250.3,36.5 246.6,32.8 241.9,32.8 238.81,29.71 U5.15
Net-(SW1-A): length 264.3
  Bottom w0.3: U1.17 55.5,22 61.3,16.2 106.8,16.2 111,20.4 136.1,20.4 139.43,17.08 175.28,17.08 178.4,20.2 178.4,23.4 181.3,26.3 205.05,26.3 213.22,18.12 271.52,18.12 276.9,23.5 276.9,37.5 282.4,42.8 SW1.1
Net-(SW2-A): length 267.2
  Bottom w0.3: SW2.1 279.1,52.9 276.3,50.3 276.3,23.85 271.15,18.7 213.5,18.7 205.3,26.9 181,26.9 177.7,23.6 177.7,20.5 174.9,17.7 139.7,17.7 136.4,21 110.7,21 106.5,16.8 64.7,16.8 60.58,20.92 U1.19
Net-(SW3-A): length 272.3
  Bottom w0.3: SW3.1 275.7,62.9 275.7,24.1 270.9,19.3 213.8,19.3 205.6,27.5 180.7,27.5 177,23.8 177,20.8 174.5,18.3 140,18.3 136.7,21.6 110.4,21.6 106.2,17.4 66.2,17.4 63.12,20.48 U1.20
Net-(U1-GPIO19): length 94.7
  Bottom w0.3: U2.3 135.97,16.28 136.4,16.7 136.4,18.1 135.4,19.1 114.2,19.1 105.5,10.4 66.4,10.4 65.7,11.1 56.4,11.1 52.97,7.67 52.97,5.2
Net-(U1-USB1): length 37.7
  Bottom w0.3: 14.35,14 16,14 16.6,14.6 16.6,18.1 10.3,24.4 10.3,38.8 11.8,40.3 12.4,40.3 USB1.5 15.31,39.3 15.71,39.5 15.81,39.8 15.71,40.2 USB1.7
Net-(U1-USB2): length 32.9
  Bottom w0.3: 12.8,41.1 11.7,41.1 9.6,39 9.6,24.1 14.33,19.37 14.33,16 ; 12.8,41.1 12.9,40.7 USB1.6 ; 12.8,41.1 12.9,41.4 13.3,41.6 USB1.8
Net-(USB1-CC1): length 3.7
  Bottom w0.3: USB1.4 13.93,39.28 14.97,38.91 15.49,38.4 R1.1
Net-(USB1-CC2): length 3.6
  Bottom w0.3: USB1.10 15.8,41.78 17.08,40.5 R2.1

## Copper pours and planes (outline as drawn; the poured copper is in the pictures)
GND on Top: 297,-1 -3,-1 -3,104 297,104
GND on Bottom: 297,-1 -3,-1 -3,104 297,104

Small or netless copper shapes (teardrops, artwork), in the pictures only: 2 on Bottom

## Text on the board
F.Silkscreen: V / D / C / V | G / V | D / C | V / G | V / C / D / V | Chu Pico V1.61
